# Altium PCB Wireless_Security_Board.PcbDoc (part 1 of 2)
Units mm, origin at the board's own origin, x right, y up, seen from the top; angles counter-clockwise.
Board outline 92 x 102 mm, 4 copper layers (Top Layer, GND, PWR, Bottom Layer), stack 1.369 mm thick; 124 components, 86 nets, 443 pads, 177 vias.
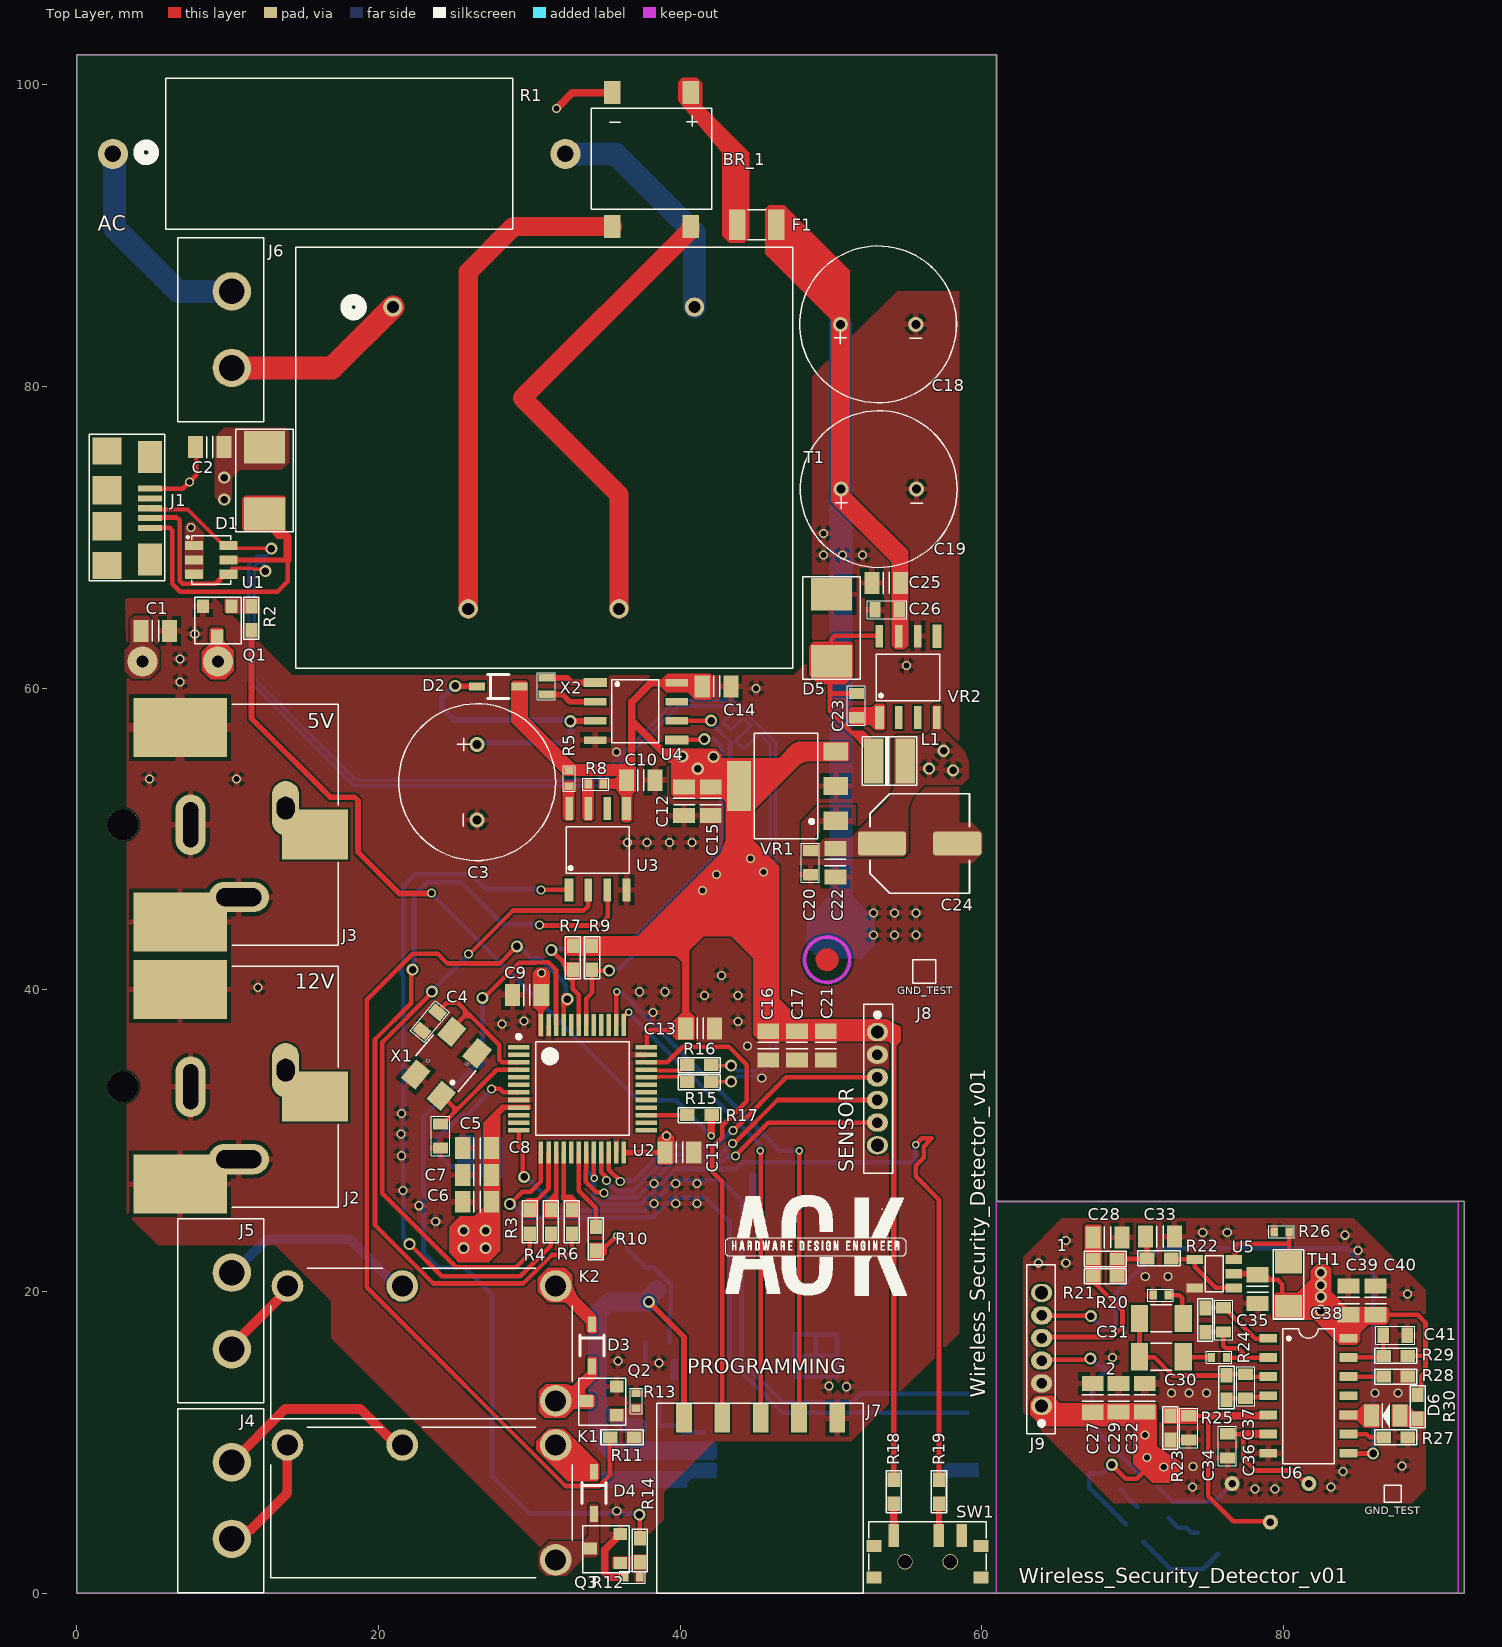
[diagram p0: Top Layer view]
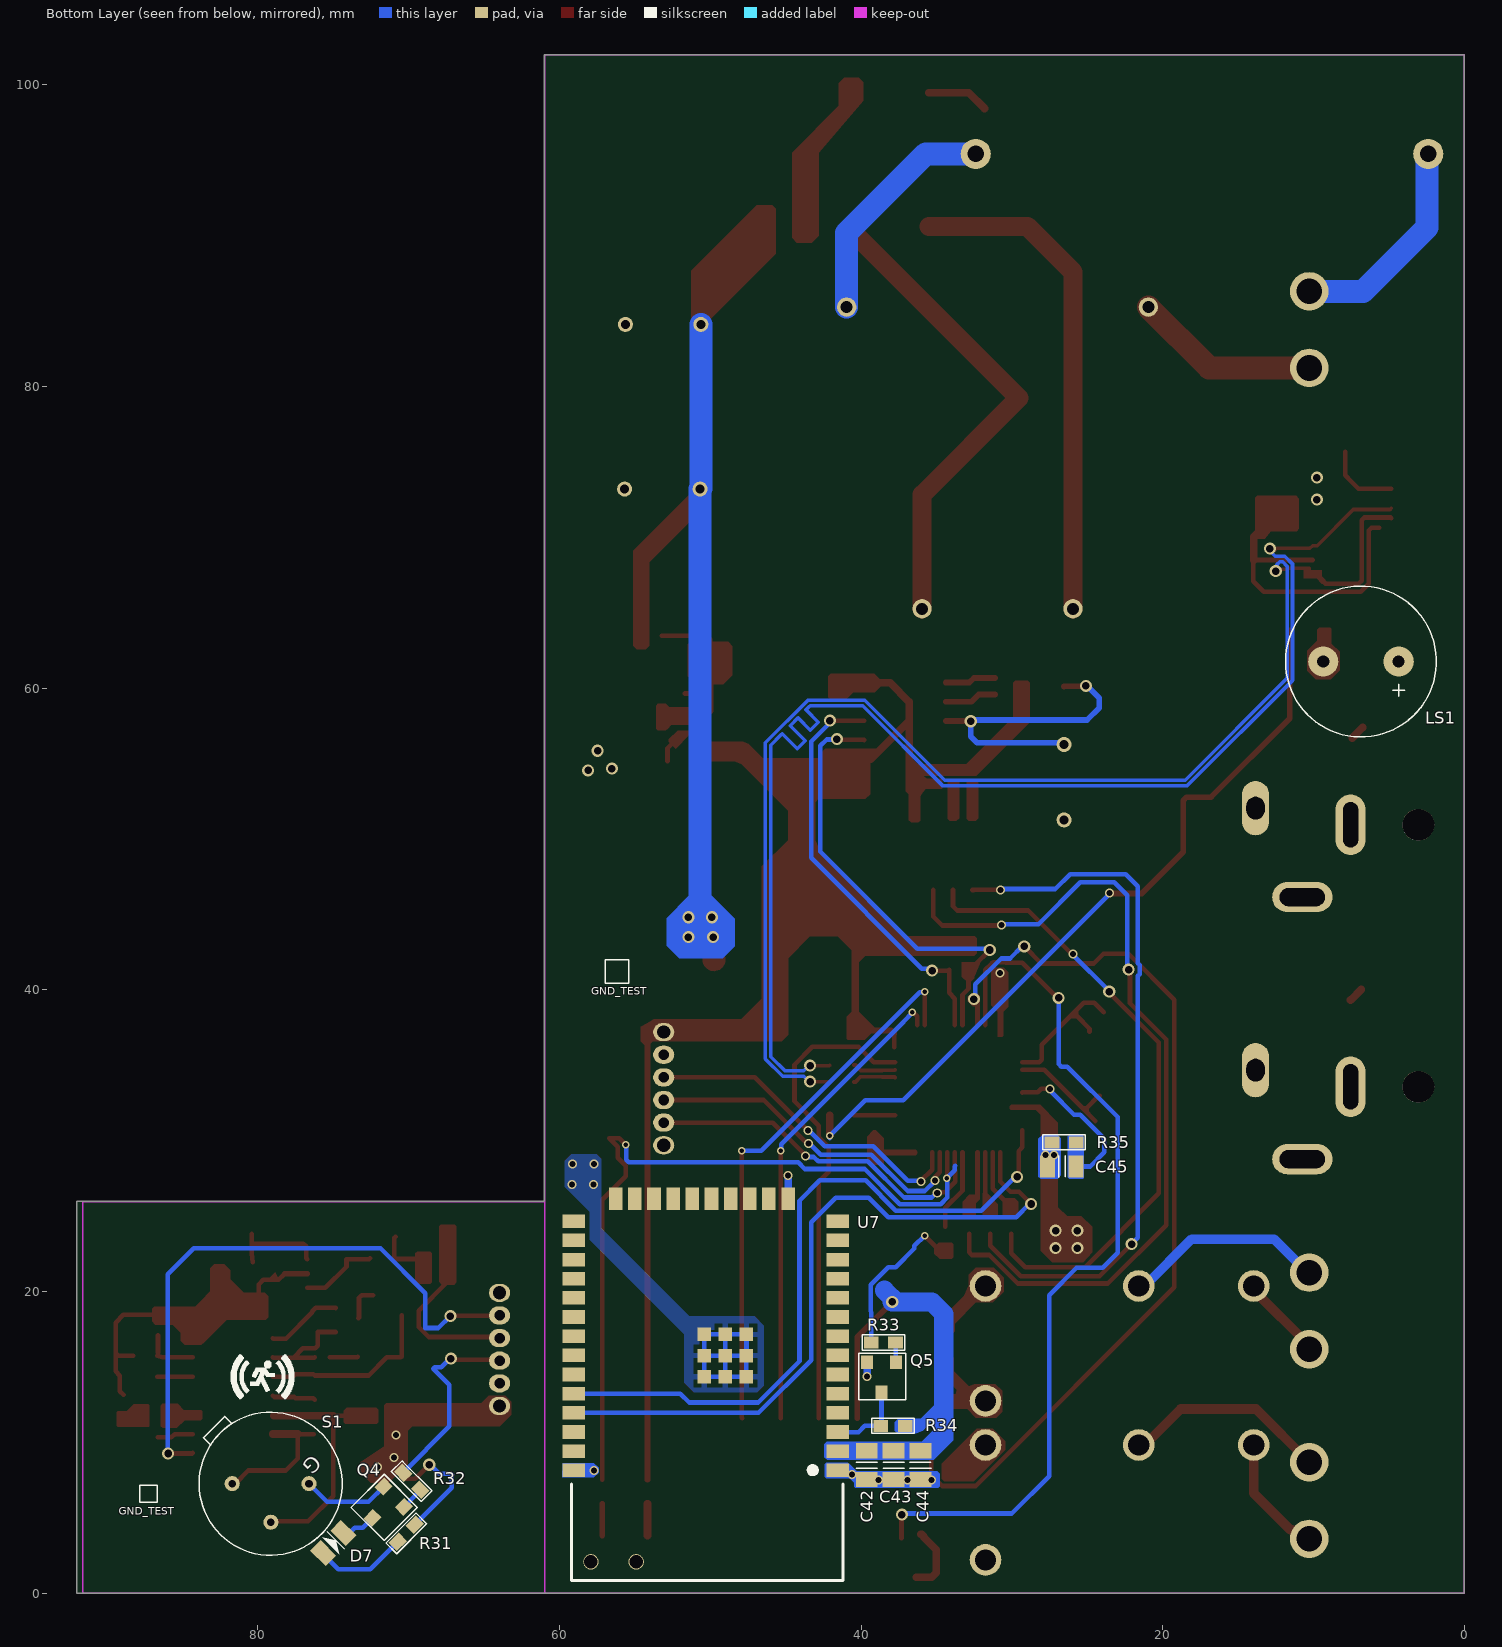
[diagram p1: Bottom Layer view, seen from below]
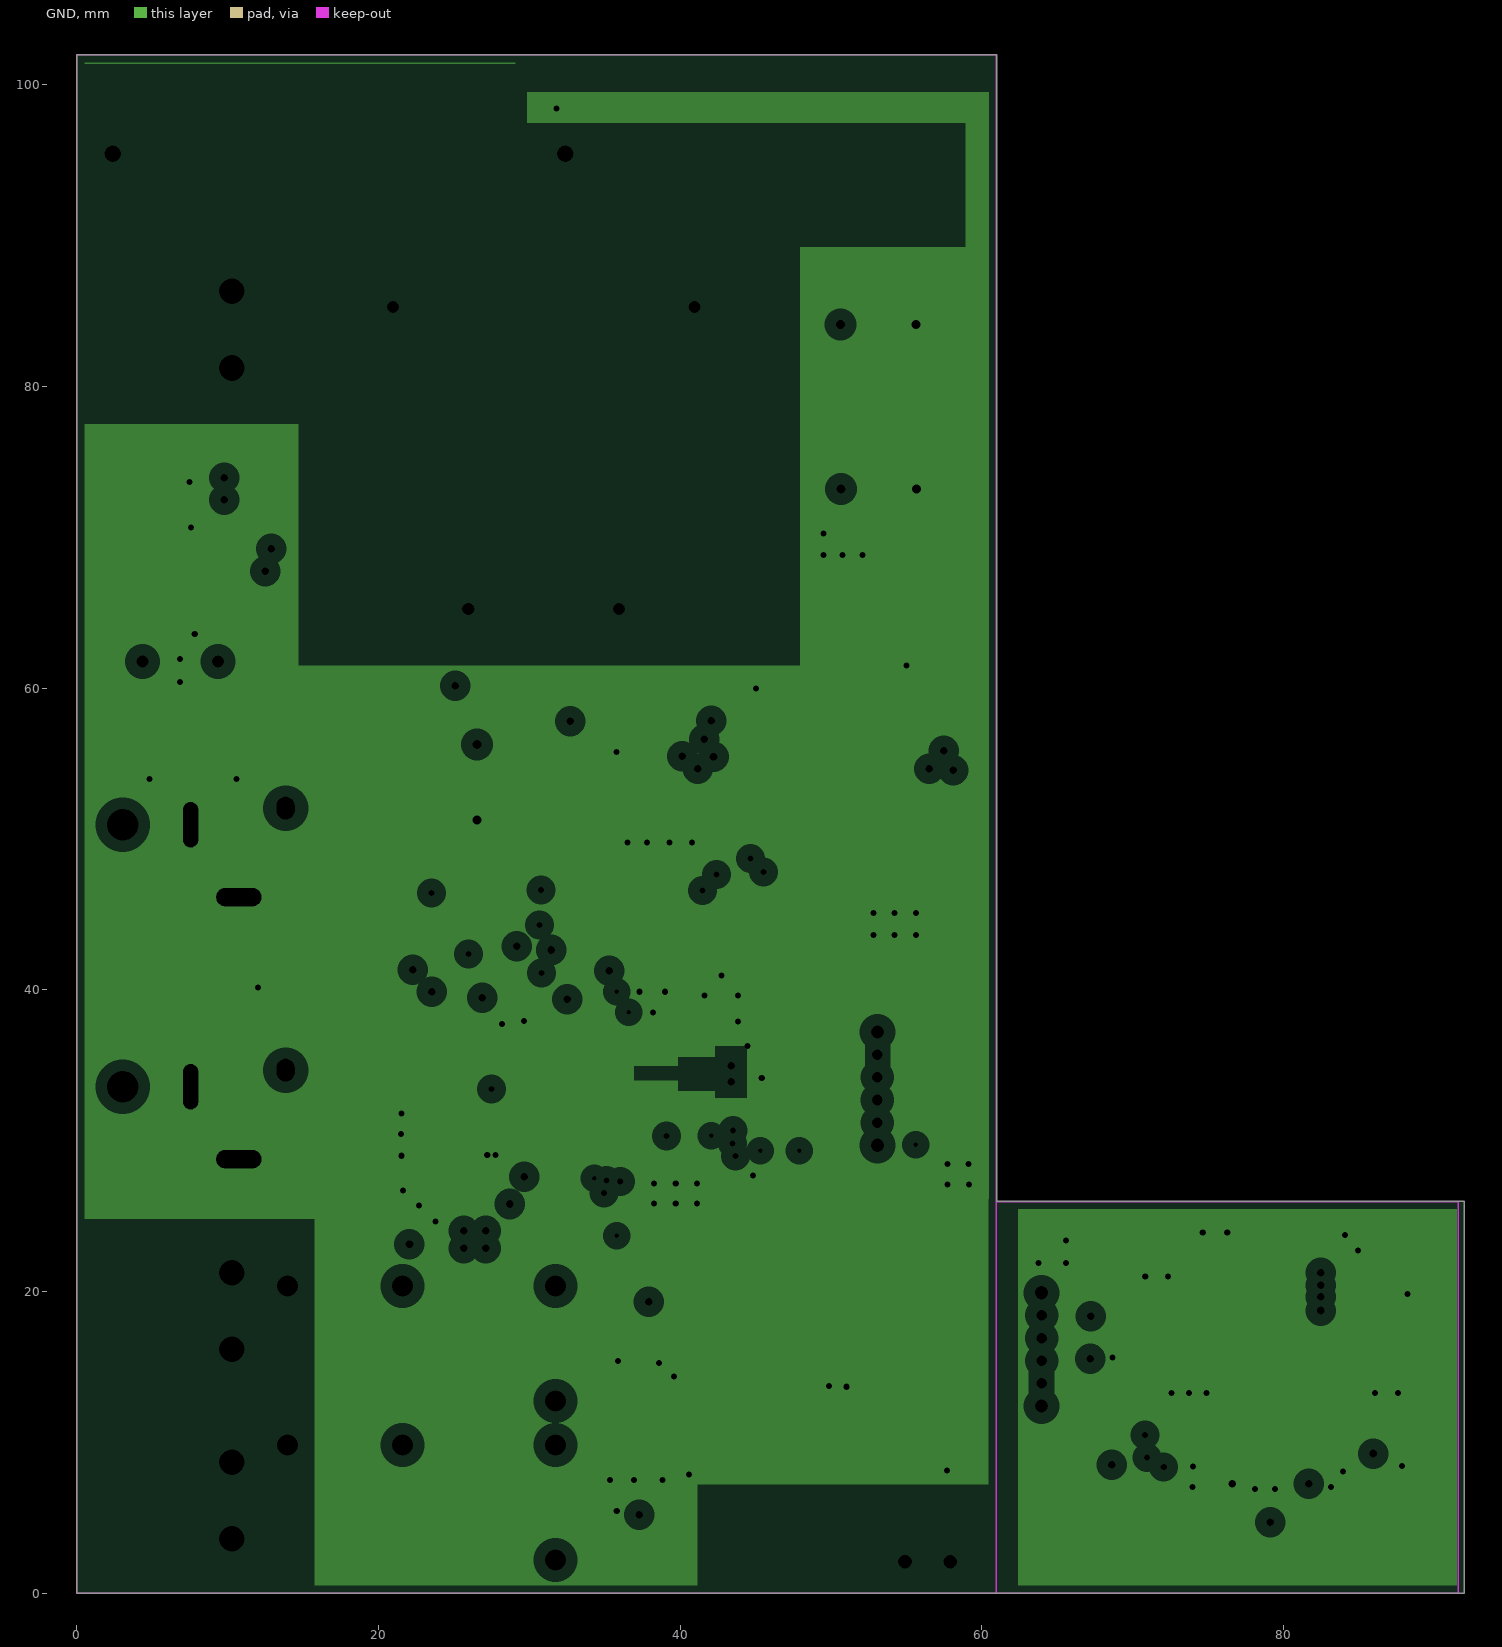
[diagram p2: GND, clearances drawn from the general rule]
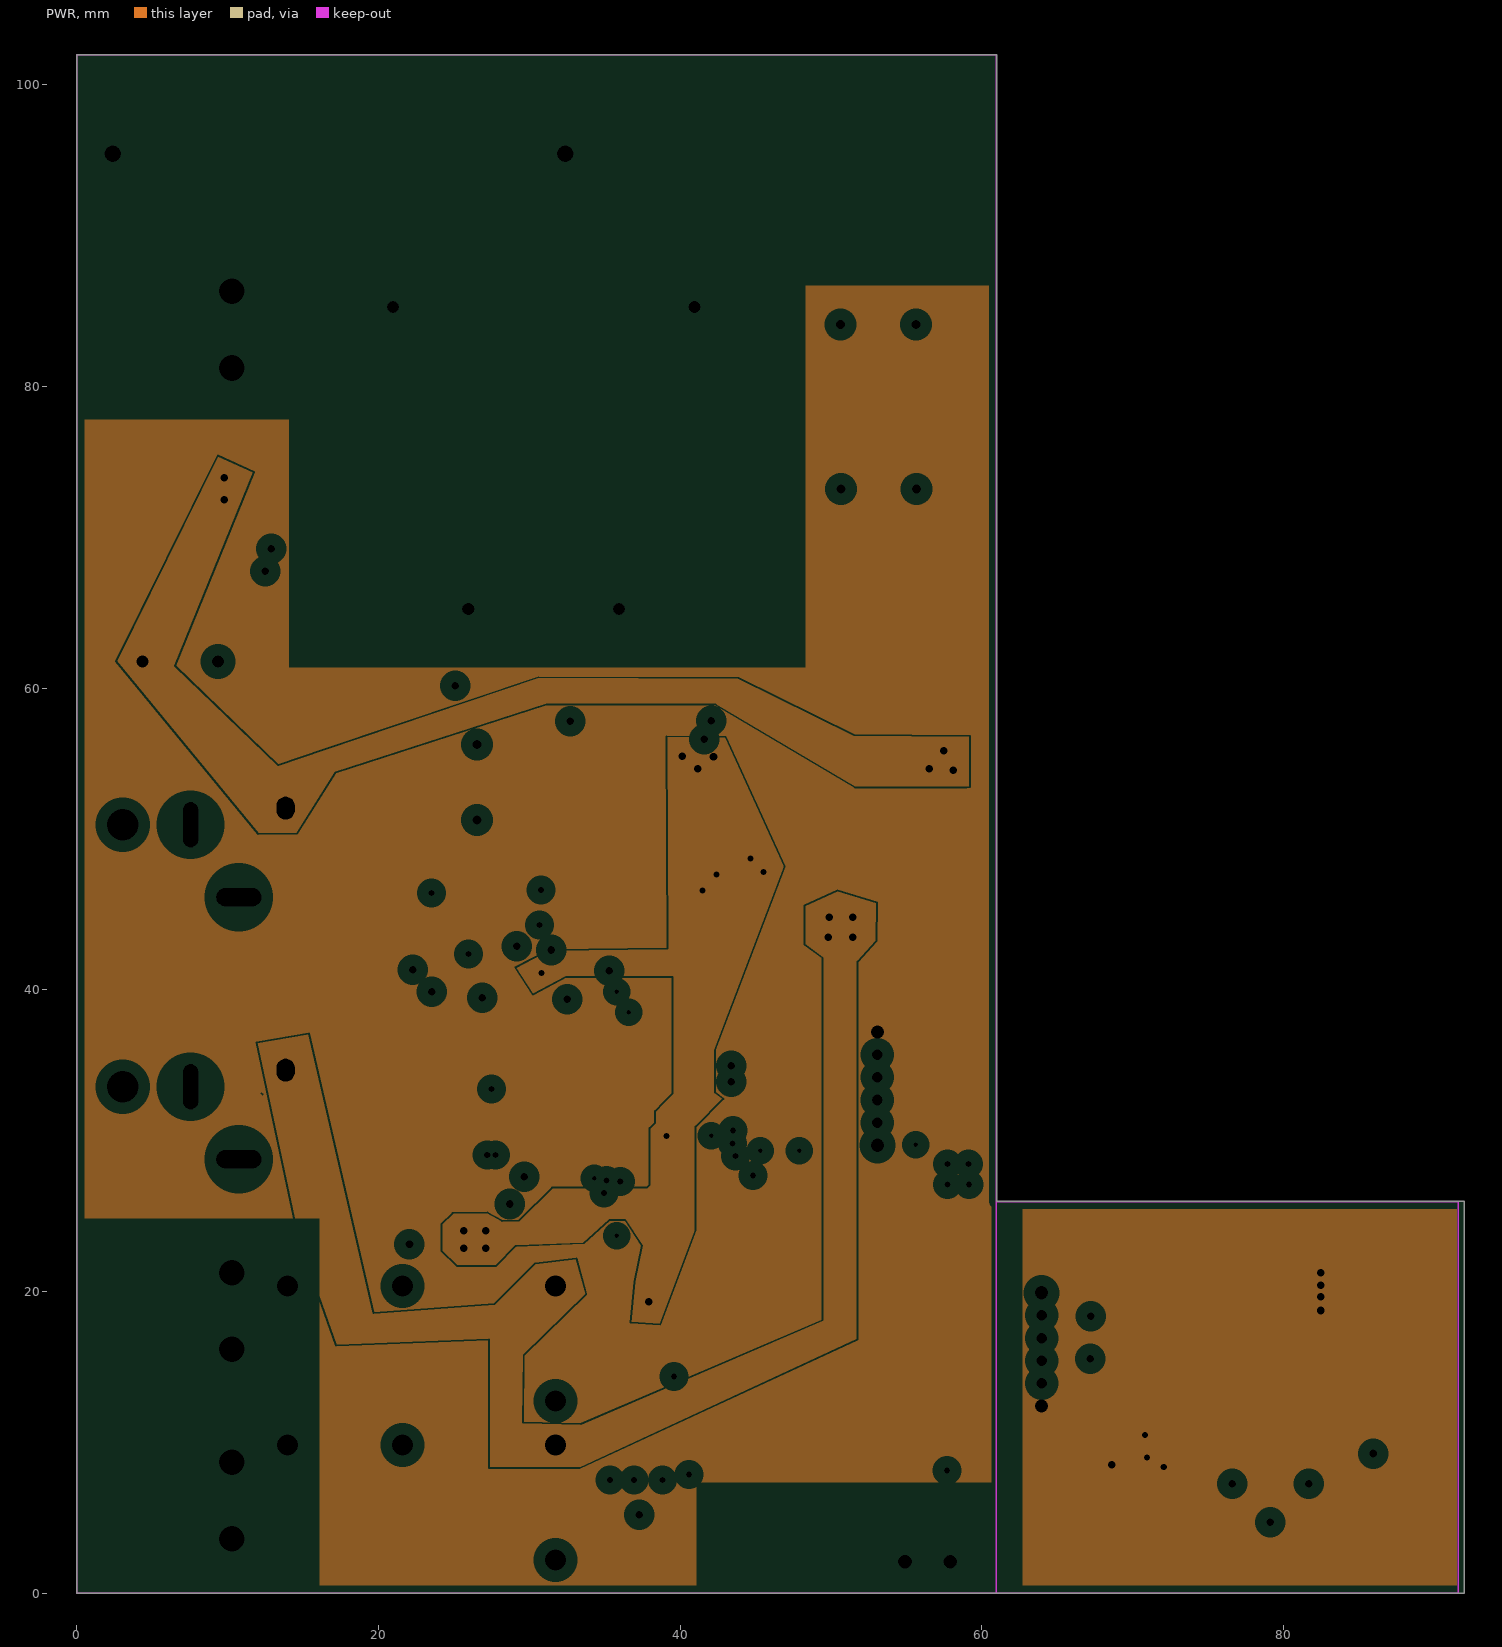
[diagram p3: PWR, clearances drawn from the general rule]
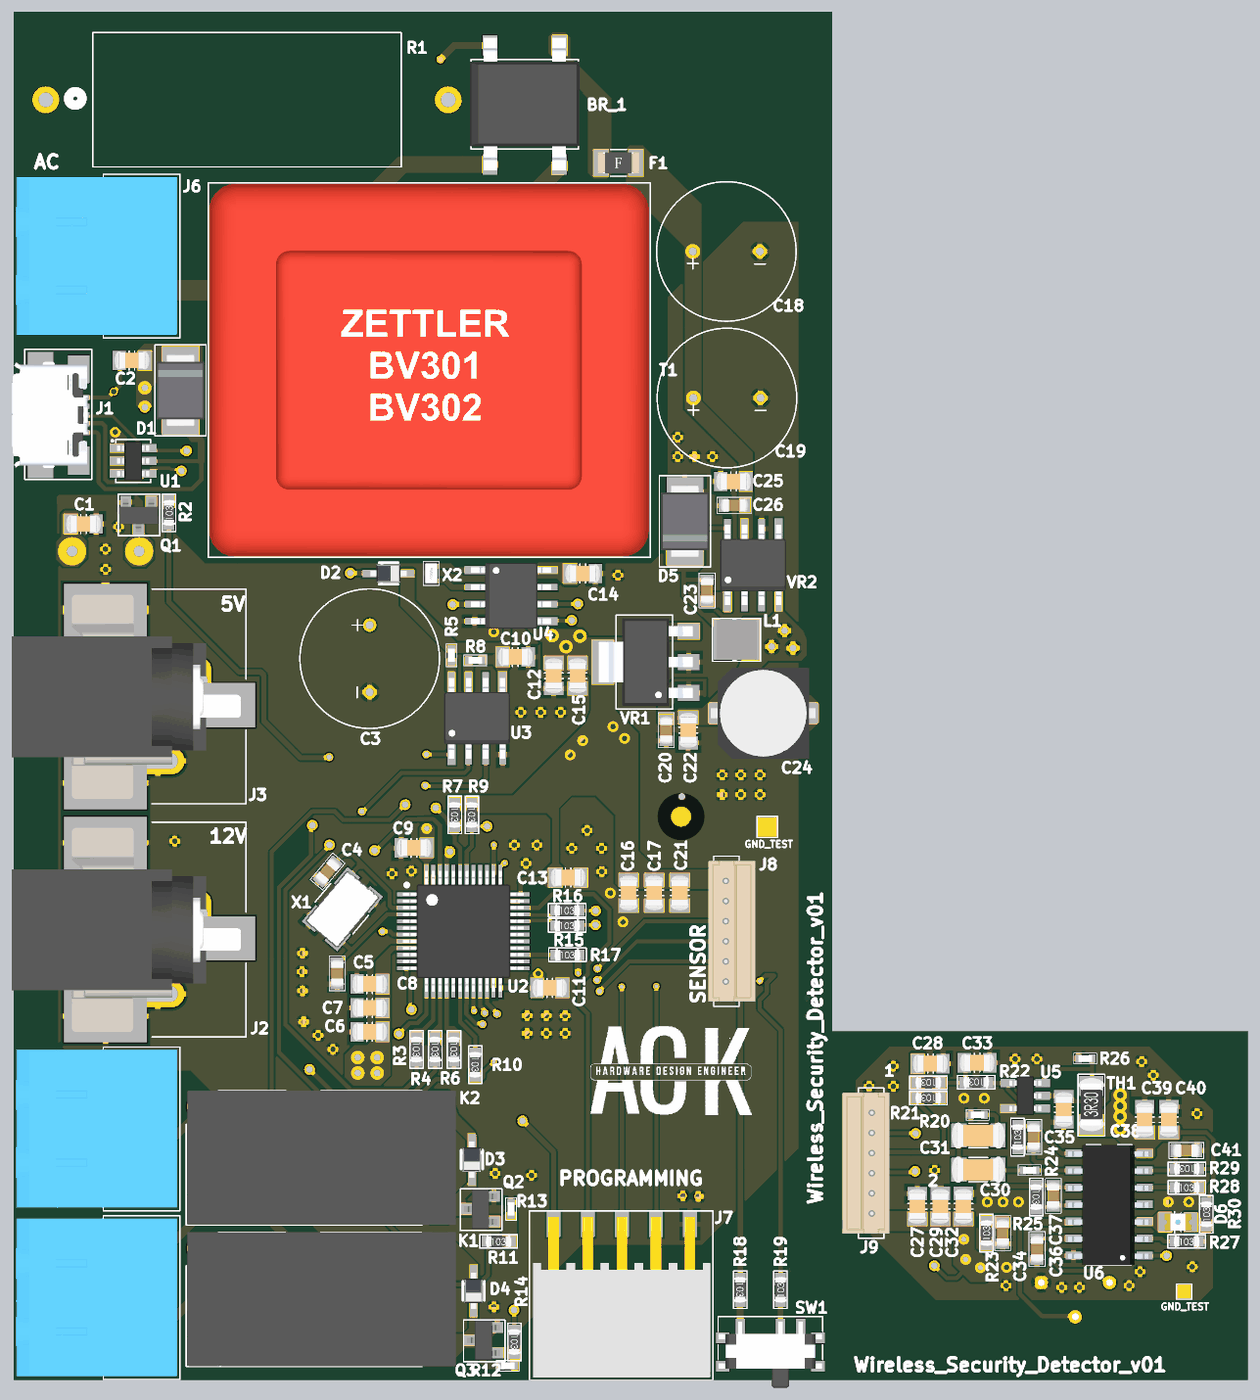
[diagram p5: 3D render of the assembled board from above, using the file's embedded part models]
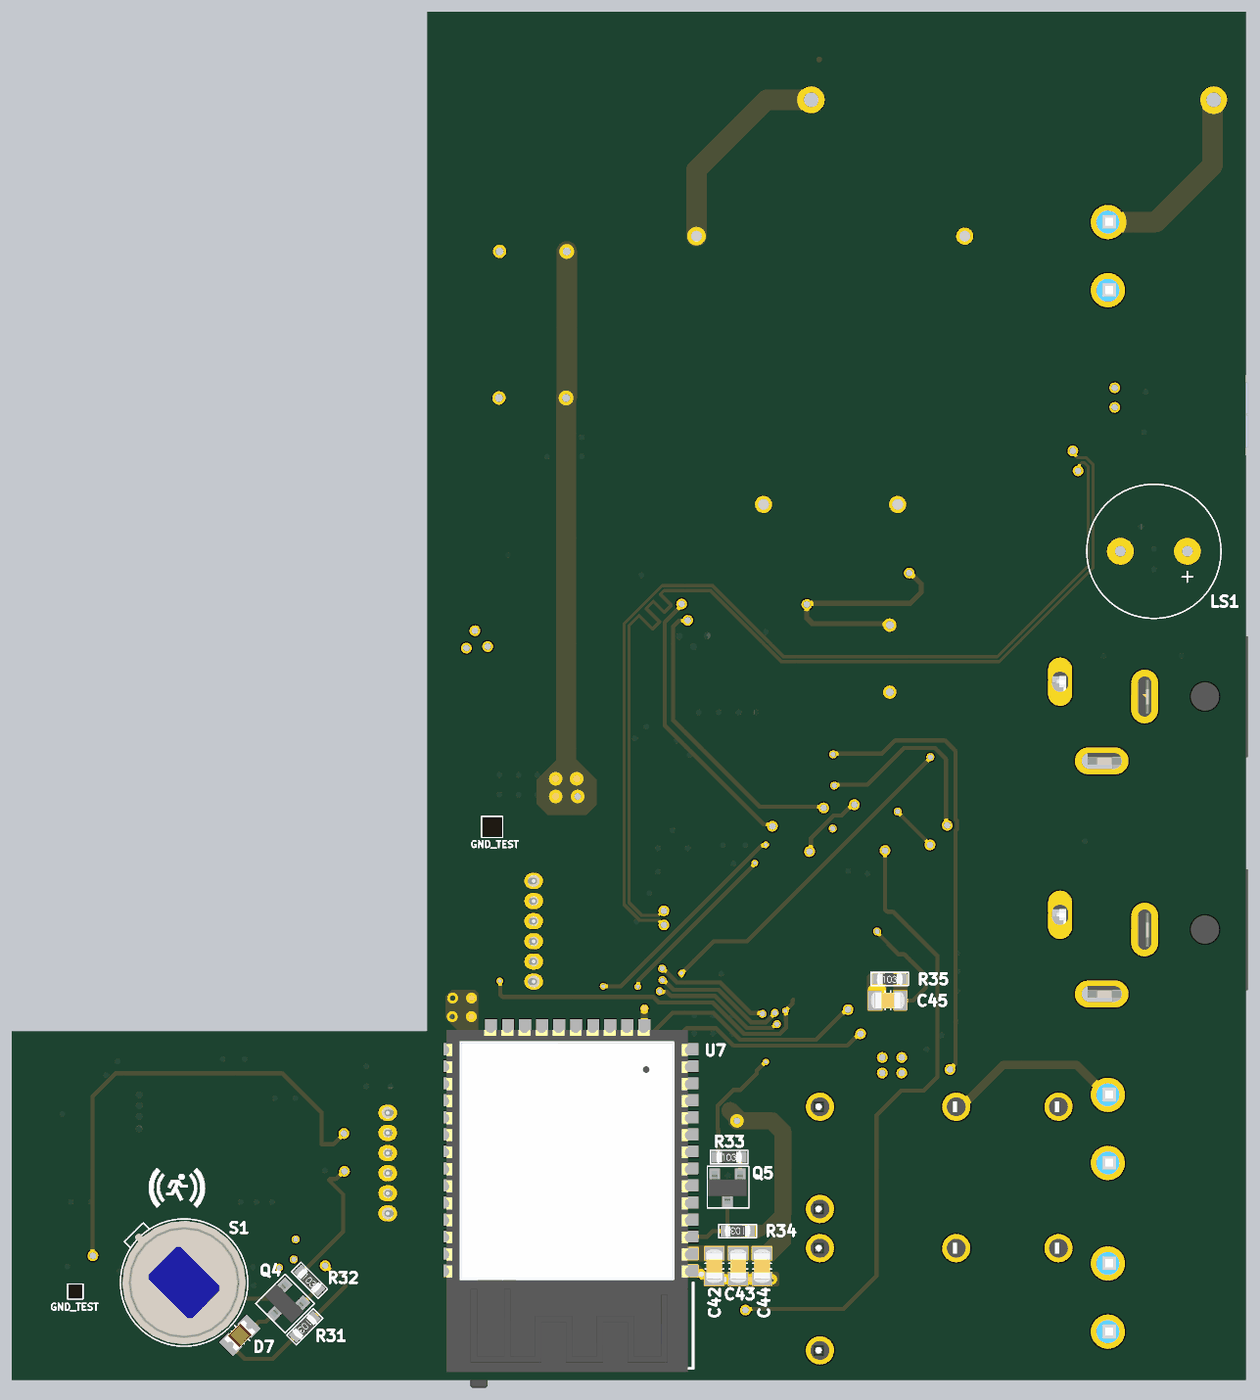
[diagram p6: 3D render of the assembled board from below, using the file's embedded part models]

## Layer stack, top to bottom
Top Solder: solder mask 0.0254, SM-001, Dk 4
Top Layer: signal copper 0.035
Dielectric 1: prepreg 0.1295, PP-017, Dk 4.3
Dielectric 2: prepreg 0.1295, PP-017, Dk 4.3
GND: plane copper 0.035, net GND
Dielectric 3: core 0.7112, Core-039, Dk 4.8
PWR: plane copper 0.035, net (Multiple Nets)
Dielectric 4: prepreg 0.1295, PP-017, Dk 4.3
Dielectric 5: prepreg 0.1295, PP-017, Dk 4.3
Bottom Layer: signal copper 0.035
Bottom Solder: solder mask 0.0254, SM-001, Dk 4

## Board outline
0,0 0,102 61,102 61,26 92,26 92,0

## Design rules (kind name [scope] priority, off if disabled: settings)
Clearance [All] p1: gap=0.127 ignorepadtopadclearanceinfootprint=TRUE except(0: Arc-Text Track-Text SMDPad-Text THPad-Text Via-Text Fill-Text Poly-Text Region-Text Text-Text Text-Hole)
ComponentClearance [All] p1: gap=0.127 collisioncheckmode=3 verticalgap=0 showdistances=FALSE
DiffPairsRouting [InDifferentialPair('MCU')] p1: maxlimit=0.152 minlimit=0.152 mostfreqgap=0.152 toplayer_minwidth=0.254 toplayer_maxwidth=0.254 toplayer_prefwidth=0.254 bottomlayer_minwidth=0.254 bottomlayer_maxwidth=0.254 bottomlayer_prefwidth=0.254 impedanceprofiledriven=TRUE impedanceprofileid={B7B5BA50-80A8-4B2D-AE9B-29DE0FD59F7B} impedanceprofilevalue=90.000000 maxuncoupledlength=12.7
DiffPairsRouting DiffPairsRouting_1 [InDifferentialPair('USB')] p2: maxlimit=0.127 minlimit=0.127 mostfreqgap=0.127 toplayer_minwidth=0.234 toplayer_maxwidth=0.234 toplayer_prefwidth=0.234 bottomlayer_minwidth=0.234 bottomlayer_maxwidth=0.234 bottomlayer_prefwidth=0.234 impedanceprofiledriven=TRUE impedanceprofileid={607E3546-E7D2-4974-95AB-847F60FCEDD5} impedanceprofilevalue=90.000000 maxuncoupledlength=12.7
HoleSize [All] p1: absolutevalues=TRUE maxlimit=3.048 minlimit=0.025 maxpercent=80.000 minpercent=20.000
HoleToHoleClearance [All] p1: gap=0.127 allowstackedmicrovias=TRUE
MinimumSolderMaskSliver [All] p1: minsoldermaskwidth=0.051
PlaneClearance [All] p1: clearance=0.762
PlaneConnect [All] p1: planeconnectstyle=Relief reliefexpansion=0.381 reliefentries=4 reliefconductorwidth=0.381 reliefairgap=0.254
PolygonConnect [All] p1: connectstyle=Relief reliefconductorwidth=0.381 reliefentries=4 polygonreliefangle="90 Angle" airgapwidth=0.254
RoutingCorners [All] p1: cornerstyle=45-Degree minsetback=2.032 maxsetback=2.032
RoutingVias [All] p1: holewidth=0.3 width=0.5 viastyle="Through Hole" minholewidth=0.25 minwidth=0.4 maxholewidth=0.5 maxwidth=1
SilkToSilkClearance [All] p1: silktosilkclearance=0
SilkToSolderMaskClearance [IsPad] p1 off: minsilkscreentomaskgap=0.254 clearancetoexposedcopper=TRUE
SolderMaskExpansion [All] p1: expansion=0.102 istentingtop=FALSE
UnRoutedNet [All] p1: checkbadconnections=TRUE
Width [All] p1: maxlimit=1.524 minlimit=0.203 preferedwidth=0.305 minimp=50.000000 maximp=50.000000 favimp=50.000000
19 further rules are at their usual default settings.

## Classes and differential pairs
differential pair class diff90: USB
component class "sensor board": C14 C28 C29 C30 C32 C34 C35 C36 C38 C40 C41 D6 D7 J9 Q4 R20 R21 R22 R26 R27 R28 R29 R30 R32 S1 TH1 U5 U6
component class "Power Manage": BR_1 C6 C12 C16 C17 C18 C19 C20 C22 C23 C24 C25 C26 C44 D1 D4 D5 F1 J3 J5 J7 J8 K1 K2 L1 Q2 Q5 R1 R12 R14 R34 T1 VR2
component class microcontroller: C6 C8 C12 C14 C16 C17 C19 C22 C23 C25 C26 C29 C32 C42 C44 D4 LS1 Q5 R7 R8 R10 R12 R14 R16 R17 R18 R21 R34 R35 SW1 U3 U4 U7 X1 X2
differential pair MCU: +MCU_P -MCU_N
differential pair USB: +USB_P -USB_N

## Components (designator, comment, footprint, x,y, rotation, side; value= is the part's Value field where it differs from the comment)
1 "RC0402JR-0710KL" RE_0402 71.857,19.761 r0 top value=10kR (schematic designator R30)
2 "RC0603JR-07560KL" RE_0603 74.828,18.11 r90 top value=560kR (schematic designator R27)
BR_1 "DB105S" DB_S_SMD_4 38.1,95.047 r0 top
C1 "CL21B104KBCNNNC" CAP_0805 5.207,63.805 r0 top (schematic designator C29)
C2 "CL21A475KAQNNNE" CAP_0805 8.824,75.997 r180 top value=4.7uF (schematic designator C14)
C3 "ESH477M050AH4AA" CAP_RADIAL_D10_P5 26.543,53.772 r270 top value=470uF (schematic designator C28)
C4 "CL10C200JB8NNNC" CAP_0603 23.406,37.91 r50 top value="20 pF" (schematic designator C18)
C5 "" CAP_0603 24.117,30.315 r90 top value="20 pF" (schematic designator C19)
C6 "CL21A475KAQNNNE" CAP_0805 26.543,25.959 r180 top value=4.7uF (schematic designator C21)
C7 "CL21B105KBFNNNE" CAP_0805 26.543,27.737 r180 top value=1uF (schematic designator C22)
C8 "CL21B104KBCNNNC" CAP_0805 26.543,29.515 r180 top (schematic designator C23)
C9 "CL21B104KBCNNNC" CAP_0805 29.845,39.675 r180 top (schematic designator C25)
C10 "CL21B104KBCNNNC" CAP_0805 37.399,53.899 r180 top (schematic designator C30)
C11 "CL21B104KBCNNNC" CAP_0805 39.954,29.227 r0 top (schematic designator C26)
C12 "CL21B105KBFNNNE" CAP_0805 40.259,52.502 r270 top value=1uF (schematic designator C11)
C13 "CL21B104KBCNNNC" CAP_0805 41.326,37.452 r0 top (schematic designator C24)
C14 "CL21B104KBCNNNC" CAP_0805 42.418,60.122 r0 top (schematic designator C27)
C15 "CL21A475KAQNNNE" CAP_0805 42.037,52.502 r270 top value=4.7uF (schematic designator C10)
C16 "CL21A475KAQNNNE" CAP_0805 45.847,36.312 r90 top value=4.7uF (schematic designator C7)
C17 "CL21A475KAQNNNE" CAP_0805 47.752,36.312 r90 top value=4.7uF (schematic designator C9)
C18 "ESH477M050AH4AA" CAP_RADIAL_D10_P5 53.126,84.125 r0 top value=470uF (schematic designator C2)
C19 "ESH477M050AH4AA" CAP_RADIAL_D10_P5 53.173,73.203 r0 top value=470uF (schematic designator C1)
C20 "C1206C107M9PAC7800" CAP_0603 48.641,48.438 r90 top value=100uF (schematic designator C12)
C21 "CL21B105KBFNNNE" CAP_0805 49.657,36.312 r90 top value=1uF (schematic designator C8)
C22 "CL21B105KBFNNNE" CAP_0805 50.292,48.438 r90 top value=1uF (schematic designator C13)
C23 "0603B103K160CT" CAP_0603 51.689,58.852 r90 top value=10nF (schematic designator C3)
C24 "EEV686M035A9HAA" CAP_EEVseries 55.88,49.708 r0 top value=68uF (schematic designator C6)
C25 "CL21B105KBFNNNE" CAP_0805 53.66,66.98 r0 top value=1uF (schematic designator C5)
C26 "C1206C107M9PAC7800" CAP_0603 53.721,65.202 r0 top value=100uF (schematic designator C4)
C27 "CL21B105KBFNNNE" CAP_0805 67.361,12.952 r270 top value=1uF (schematic designator C44)
C28 "CL21B105KBFNNNE" CAP_0805 68.336,23.584 r0 top value=1uF (schematic designator C42)
C29 "CL21A475KAQNNNE" CAP_0805 69.075,12.954 r270 top value=4.7uF (schematic designator C43)
C30 "C3216X5R1E336M160AC" CAP_1206 71.907,15.684 r0 top value="33 µF" (schematic designator C34)
C31 "C3216X5R1E336M160AC" CAP_1206 71.907,18.224 r0 top value="33 µF" (schematic designator C36)
C32 "CL21A475KAQNNNE" CAP_0805 70.803,12.954 r270 top value=4.7uF (schematic designator C45)
C33 "CL21A475KAQNNNE" CAP_0805 71.816,23.647 r0 top value=4.7uF (schematic designator C41)
C34 "0603B103K160CT" CAP_0603 73.724,10.96 r90 top value="10000 pF" (schematic designator C39)
C35 "0603B103K160CT" CAP_0603 76.035,18.123 r90 top value="10000 pF"
C36 "0603B103K160CT" CAP_0603 76.289,9.766 r90 top value="10000 pF" (schematic designator C38)
C37 "0603B103K160CT" CAP_0603 77.495,13.729 r270 top value="10000 pF" (schematic designator C31)
C38 "CL21B104KBCNNNC" CAP_0805 78.283,20.168 r270 top (schematic designator C40)
C39 "CL21B104KBCNNNC" CAP_0805 84.315,19.416 r270 top (schematic designator C32)
C40 "CL21B105KBFNNNE" CAP_0805 86.106,19.416 r270 top value=1uF (schematic designator C33)
C41 "0603B103K160CT" CAP_0603 87.414,17.107 r0 top value="10000 pF" (schematic designator C37)